# Allegro board RK_EXCAVATOR_MAIN_V12_20161114_FZBFINAL.brd (continued)
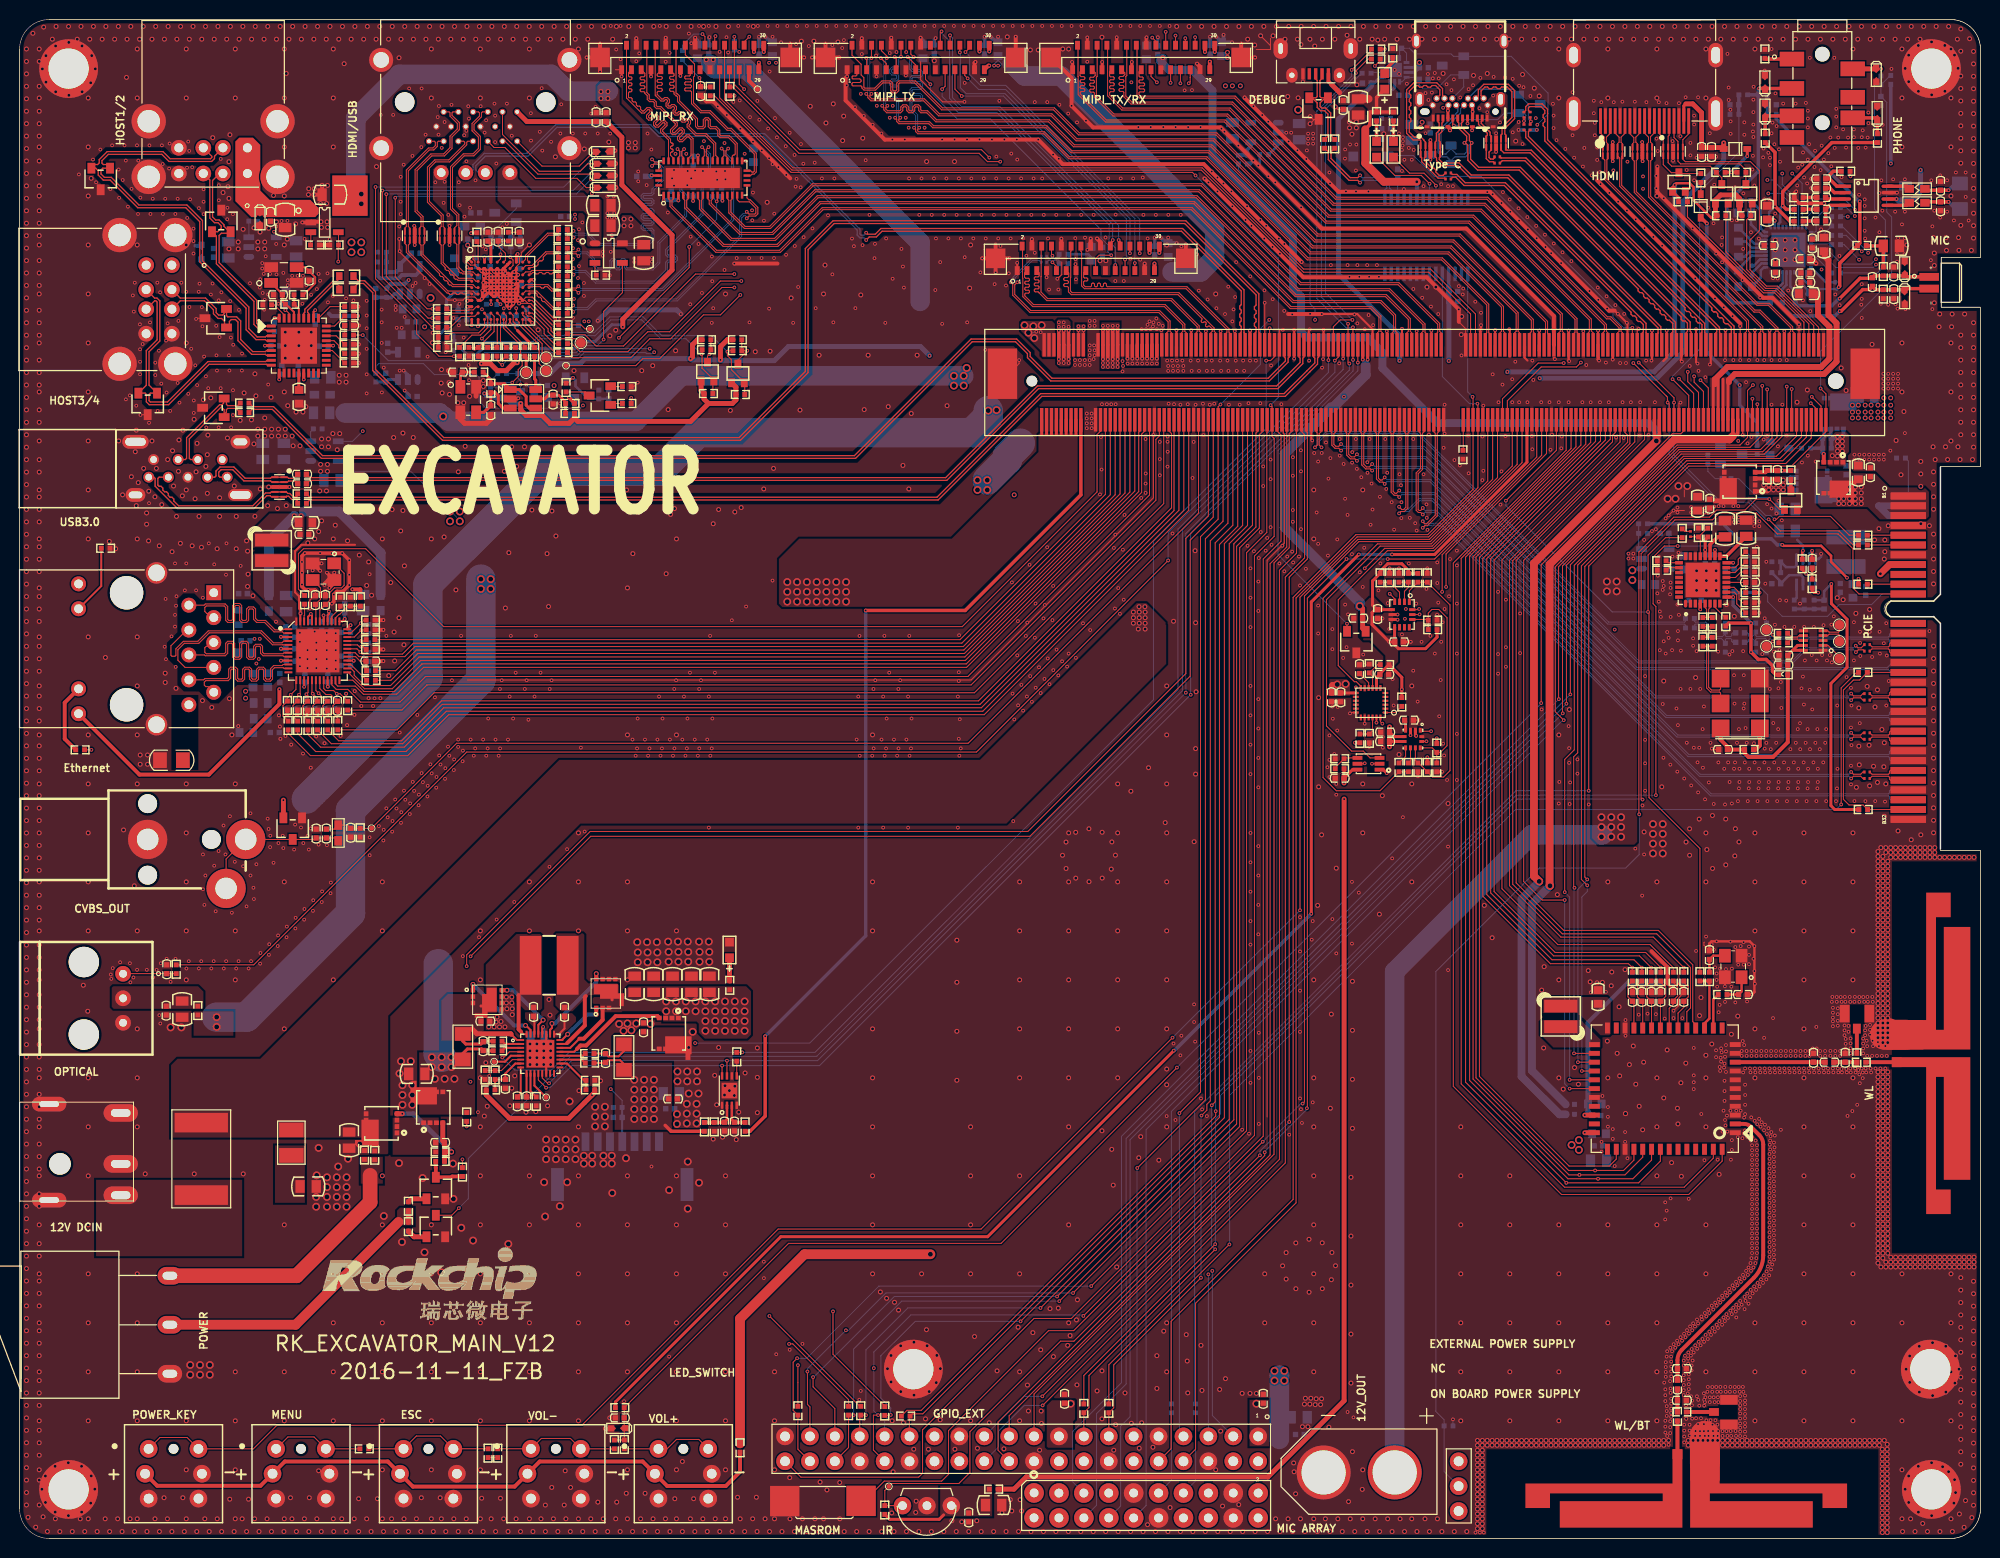
[diagram p0: board, top side]
## Routing (per net, layer and track width the routed paths; a pad name or vN(x,y) marks a point on that pad's centre or on a via; arc(x,y) is an arc through that point) (continued)
  vias: v1(6.05,139.2) v1(7.48,140.71) v1(7.8,138.4) v1(8.24,141.74) v1(9.25,137.7) v1(9.3,57.55) v1(9.35,57.1) v1(9.43,142.17) v1(9.5,58.2) v1(10.1,139.7) v1(10.15,136.8) v1(10.25,58.8) v1(10.52,138.63) v1(10.7,142.17) v1(10.83,140.61) v1(10.84,116.24) v1(11.05,135.91) v1(11.25,116.65) v1(11.25,58.7) v1(11.3,56.75) v1(11.42,137.73) v1(11.55,126.85) v1(11.65,125.2) v1(11.61,57.25) v1(11.75,128.15) v1(11.9,115.6) v1(11.97,142.17) v1(11.98,58.02) v1(12.1,140.61) v1(12.08,135.16) v1(12.32,136.83) v1(12.27,123.9) v1(12.28,121.35) v1(12.28,120.08) v1(12.28,118.81) v1(12.33,114.65) v1(12.55,121.89) v1(12.98,58.02) v1(13.24,142.17) v1(13.2,113.85) v1(13.2,105.65) v1(13.35,135.16) v1(13.3,124.1) v1(13.58,136.72) v1(13.61,57.25) v1(13.84,119.99) v1(13.84,118.72) v1(14.05,128.15) v1(13.98,58.02) v1(14.09,115.06) v1(14.21,121.21) v1(14.25,53.4) v1(14.33,127.17) v1(14.35,52.55) v1(14.45,117.85) v1(14.4,58.7) v1(14.51,142.17) v1(14.59,140.26) v1(14.62,135.16) v1(14.8,91) v1(14.85,136.72) v1(14.94,122.24) v1(14.89,95.88) v1(14.93,89.73) v1(14.99,116.94) v1(15,59.15) v1(15.1,124) v1(15.25,139.8) v1(15.3,142.35) v1(15.36,115.06) v1(15.4,56.8) v1(15.49,92.06) v1(15.89,135.16) v1(15.85,99.5) v1(15.85,94.25) v1(15.85,93.05) v1(15.92,88.94) v1(15.9,59.15) v1(16,96.15) v1(15.95,95.18) v1(16.12,136.72) v1(16.12,117.92) v1(16.2,124.25) v1(16.31,115.91) v1(16.5,128.15) v1(16.85,96.75) v1(17,127.22) v1(17,99.5) v1(17.01,58.16) v1(17.08,139.88) v1(17.09,134.76) v1(17.2,142.55) v1(17.21,116.8) v1(17.3,141.6) v1(17.32,125.67) v1(17.26,58.91) v1(17.39,136.66) v1(17.5,121.4) v1(17.6,139.93) v1(17.74,133.66) v1(17.74,132.39) v1(17.74,131.12) v1(17.77,116.13) v1(17.77,114.86) v1(17.92,119.71) v1(18,124.45) v1(18,96.75) v1(18.1,117.7) v1(18.29,135.76) v1(18.27,127.22) v1(18.28,58.16) v1(18.35,128.05) v1(18.53,58.91) v1(18.59,125.66) v1(18.65,123.7) v1(18.69,96) v1(18.7,69.8) v1(18.7,66.25) v1(18.76,137.68) v1(18.76,136.41) v1(18.76,135.14) v1(18.82,120.61) v1(18.85,64.65) v1(19,118.6) v1(19.04,113.38) v1(18.95,67.65) v1(19.24,117.38) v1(19.3,101.55) v1(19.51,126.94) v1(19.55,58.16) v1(19.68,128.07) v1(19.8,58.91) v1(19.85,99.4) v1(19.85,68.65) v1(20,64) v1(20.05,123.75) v1(20.08,120.74) v1(20.13,119.18) v1(20.32,138.1) v1(20.32,136.56) v1(20.3,126.35) v1(20.31,113.38) v1(20.3,70.15) v1(20.4,122.6) v1(20.52,140.78) v1(20.51,117.38) v1(20.58,127.17) v1(20.8,72.75) v1(20.82,58.16) v1(21,69.8) v1(21.1,101.55) v1(21.05,98.35) v1(21.07,58.91) v1(21.2,135.8) v1(21.18,134.63) v1(21.35,120.74) v1(21.4,119.18) v1(21.48,126.27) v1(21.45,73.7) v1(21.55,122.55) v1(21.58,113.38) v1(21.65,63.85) v1(21.76,135.14) v1(21.79,121.81) v1(21.77,117.18) v1(21.77,114.64) v1(21.95,69.05) v1(22.09,58.16) v1(22.34,58.91) v1(22.38,125.37) v1(22.55,99.25) v1(22.69,120.92) v1(22.67,119.18) v1(22.8,68.6) v1(23.15,64.5) v1(23.36,58.16) v1(23.5,128.1) v1(23.55,74) v1(23.55,67.65) v1(23.61,58.91) v1(23.85,66.4) v1(23.9,65.25) v1(23.96,91.8) v1(24.15,89.29) v1(24.15,68.8) v1(24.4,89.75) v1(24.55,128.5) v1(24.5,127.65) v1(24.5,91.8) v1(24.53,58.66) v1(24.56,59.74) v1(24.75,130.15) v1(24.75,129.6) v1(24.8,127.1) v1(24.9,129.05) v1(24.95,125.4) v1(25,126.4) v1(25.1,130.85) v1(25.35,126.95) v1(25.3,73.45) v1(25.36,117.75) v1(25.4,72.4) v1(25.43,59.55) v1(25.55,129.05) v1(25.55,70.55) v1(25.46,60.64) v1(25.57,71.71) v1(25.9,68.95) v1(26.18,133.89) v1(26.17,132.1) v1(26.2,129) v1(26.33,60.45) v1(26.4,126) v1(26.4,70.96) v1(26.36,61.54) v1(26.72,134.45) v1(26.84,71.71) v1(26.9,129.15) v1(26.9,70.45) v1(27.11,81.89) v1(27.23,61.35) v1(27.32,134.46) v1(27.35,128.4) v1(27.35,127.9) v1(27.26,62.44) v1(27.8,128.85) v1(28,70.3) v1(28.1,72.85) v1(28.13,62.25) v1(28.16,63.33) v1(28.35,128.85) v1(28.7,72.55) v1(28.9,128.85) v1(28.85,126) v1(28.91,80.09) v1(28.94,70.96) v1(29.02,63.15) v1(29.07,132.62) v1(29.05,64.23) v1(29.38,71.71) v1(29.5,70.3) v1(29.73,126.91) v1(29.7,72.45) v1(29.92,64.04) v1(29.95,65.13) v1(30.32,127.5) v1(30.5,129.05) v1(30.5,70.8) v1(30.65,128.35) v1(30.82,64.94) v1(30.85,66.03) v1(31.4,129.1) v1(31.35,70.75) v1(31.45,126.15) v1(31.75,66.93) v1(31.72,65.84) v1(31.95,126.8) v1(33.3,126.55) v1(34.05,126.35) v1(35.4,126.3) v1(35.4,124.8) v1(35.4,123.5) v1(35.4,121.4) v1(35.4,118.8) v1(35.4,116.85) v1(35.7,98.4) v1(35.7,71.55) v1(35.71,69.72) v1(36.2,85.74) v1(36.65,72.69) v1(36.83,145.27) v1(36.93,125.4) v1(36.93,124.1) v1(36.93,122) v1(36.95,116.95) v1(37.14,119.48) v1(37.14,72.31) v1(37.11,71.23) v1(37.41,92.11) v1(37.41,74.51) v1(37.54,73.59) v1(38.03,73.21) v1(38,72.13) v1(38.1,145.27) v1(38.31,75.41) v1(38.36,125.78) v1(38.36,125.37) v1(38.44,74.49) v1(38.46,123.55) v1(38.72,133.89) v1(38.77,119.18) v1(38.77,82.24) v1(38.87,138.96) v1(38.87,136.42) v1(38.87,135.15) v1(38.93,74.11) v1(38.9,73.02) v1(38.97,123.55) v1(39.18,140.19) v1(39.21,76.31) v1(39.28,124.66) v1(39.34,75.39) v1(39.73,147.97) v1(39.83,75.01) v1(39.8,73.92) v1(40.07,141.09) v1(40.09,127.81) v1(40.1,77.2) v1(40.24,76.28) v1(40.39,128.12) v1(40.57,84.04) v1(40.73,75.91) v1(40.7,74.82) v1(41,147.97) v1(40.97,141.99) v1(41,78.1) v1(41.14,77.18) v1(41.41,143.26) v1(41.61,120.6) v1(41.63,76.8) v1(41.6,75.72) v1(41.82,128.02) v1(41.9,79) v1(42.03,78.08) v1(42.12,123.04) v1(42.4,138.4) v1(42.36,85.83) v1(42.52,77.7) v1(42.49,76.62) v1(42.65,145.05) v1(42.73,143.26) v1(42.77,146.18) v1(42.8,79.9) v1(42.93,78.98) v1(43.06,141.91) v1(43.25,136.3) v1(43.35,144.55) v1(43.35,138.45) v1(43.42,78.6) v1(43.39,77.51) v1(43.45,121.95) v1(43.45,121.05) v1(43.73,135.07) v1(43.7,80.8) v1(43.83,79.88) v1(43.85,133.95) v1(44.05,146.3) v1(44.1,87.58) v1(44.25,124.55) v1(44.32,79.5) v1(44.29,78.41) v1(44.74,81.52) v1(44.73,80.77) v1(44.8,138.4) v1(44.8,123.8) v1(44.88,136.06) v1(45.03,92.11) v1(45.22,80.4) v1(45.19,79.31) v1(45.21,59.43) v1(45.3,122.55) v1(45.35,143.2) v1(45.38,134.89) v1(45.57,143.65) v1(45.58,140.54) v1(45.76,146.16) v1(45.83,144.89) v1(45.8,119.75) v1(45.85,118.2) v1(45.95,135.8) v1(46.01,81.52) v1(45.99,46.6) v1(46.33,79.88) v1(46.5,138.6) v1(46.47,80.62) v1(46.75,43.5) v1(46.86,61.36) v1(47.03,146.16) v1(47.2,131.85) v1(47.16,125.44) v1(47.28,81.52) v1(47.44,143.47) v1(47.55,131.55) v1(47.58,144.73) v1(47.6,79.88) v1(47.74,80.62) v1(47.8,83.67) v1(47.85,46.4) v1(47.9,47.2) v1(48.43,146.42) v1(48.5,145.2) v1(48.5,142.5) v1(48.55,81.52) v1(48.62,140.31) v1(48.66,63.15) v1(48.87,79.88) v1(48.99,86.69) v1(49.01,80.62) v1(49.25,133.8) v1(49.18,87.58) v1(49.39,125.53) v1(49.7,146.42) v1(49.7,134.15) v1(49.82,81.52) v1(49.98,85.91) v1(50.11,92.11) v1(50.2,143.15) v1(50.34,83.67) v1(50.45,64.95) v1(50.6,88.35) v1(51.53,86.69) v1(51.72,87.58) v1(51.9,83.55) v1(52.15,145.45) v1(52.16,142.65) v1(52.52,85.91) v1(52.65,92.11) v1(53.06,143.55) v1(53.14,88.35) v1(53.25,148) v1(53.31,141.63) v1(54.04,68.54) v1(54.07,86.69) v1(54.21,142.53) v1(54.26,87.58) v1(55.16,143.37) v1(55.25,146.35) v1(55.84,70.34) v1(56.43,143.37) v1(56.45,131.67) v1(56.45,130.56) v1(56.45,124.56) v1(56.55,126.49) v1(56.95,132.49) v1(56.95,128.63) v1(57.06,133.6) v1(57.06,129.84) v1(57.25,80.7) v1(57.4,134.3) v1(57.56,128.12) v1(57.56,126.8) v1(57.64,72.14) v1(57.7,143.37) v1(58.3,145.4) v1(58.75,146.1) v1(58.97,143.37) v1(59.4,145.5) v1(59.5,131.3) v1(59.5,130.9) v1(59.95,136.95) v1(59.95,135.25) v1(59.95,134.8) v1(60.24,143.37) v1(60.2,128.9) v1(60.3,154.35) v1(60.3,131.3) v1(60.4,134.8) v1(60.4,133) v1(60.6,136.95) v1(60.65,135.25) v1(60.85,151.95) v1(60.9,134.8) v1(61.3,154.35) v1(61.3,150.95) v1(61.65,14) v1(62.52,81.52) v1(62.7,130.65) v1(62.7,130.25) v1(62.84,79.88) v1(62.9,150.75) v1(63.04,83.67) v1(62.98,80.62) v1(63.1,139.5) v1(63.1,138.5) v1(63.2,151.55) v1(63.79,81.52) v1(64.05,143.37) v1(63.96,138.11) v1(64.11,79.88) v1(64.25,80.62) v1(64.44,141.74) v1(64.45,37.95) v1(64.5,130.7) v1(64.5,130.3) v1(65.06,81.52) v1(65.22,85.91) v1(65.3,154.35) v1(65.38,79.88) v1(65.52,80.62) v1(65.58,83.67) v1(65.9,150.7) v1(66.12,135.31) v1(66.3,151.6) v1(66.33,81.52) v1(66.25,18.55) v1(66.55,138.8) v1(66.65,79.88) v1(66.75,139.65) v1(66.75,138.05) v1(66.77,86.69) v1(66.79,80.62) v1(66.9,141.3) v1(66.96,87.58) v1(67.6,81.52) v1(67.76,85.91) v1(67.92,79.88) v1(68,141.3) v1(68.1,138.1) v1(68.12,83.67) v1(68.06,80.62) v1(68.15,139.55) v1(68.26,153.58) v1(68.4,125.95) v1(68.38,88.35) v1(68.51,152.59) v1(68.5,138.8) v1(68.45,132.85) v1(68.9,139.6) v1(68.87,81.52) v1(69.19,79.88) v1(69.3,154.35) v1(69.25,132.1) v1(69.31,86.69) v1(69.33,80.62) v1(69.5,87.58) v1(69.6,127.1) v1(69.7,139.55) v1(69.8,142.6) v1(70.14,81.52) v1(70.3,154.35) v1(70.3,85.91) v1(70.3,72.54) v1(70.43,92.11) v1(70.46,79.88) v1(70.61,130.82) v1(70.6,124.05) v1(70.6,80.62) v1(70.65,128.3) v1(70.66,83.67) v1(70.75,125.55) v1(70.92,88.35) v1(71.06,139.5) v1(71.22,146.14) v1(71.15,138.65) v1(71.4,151.7) v1(71.9,142.4) v1(71.9,129.45) v1(71.95,139.55) v1(72,138.7) v1(72.1,153.2) v1(72.14,145.26) v1(72.27,151.64) v1(72.65,93.7) v1(72.8,146.6) v1(73.14,130.66) v1(73.3,154.35) v1(73.45,146.75) v1(73.52,143.87) v1(73.95,141.31) v1(74.1,95.1) v1(74.3,154.35) v1(74.41,130.66) v1(74.45,124.1) v1(74.5,145.05) v1(74.71,135.53) v1(74.73,134.52) v1(74.81,142.54) v1(74.8,137.35) v1(75.25,146.7) v1(75.3,154.35) v1(75.45,144.78) v1(75.71,141.65) v1(75.68,130.66) v1(75.92,134.48) v1(75.91,28.24) v1(75.92,26.56) v1(76.3,154.35) v1(76.35,143.88) v1(76.45,140.85) v1(76.45,125.5) v1(76.5,149.7) v1(76.8,153.25) v1(76.8,140.25) v1(76.8,97.75) v1(77.05,144.95) v1(76.97,135.19) v1(76.95,130.66) v1(77.25,142.98) v1(77.17,18.8) v1(77.3,154.35) v1(77.4,139.95) v1(77.67,152.68) v1(78.15,142.09) v1(78.2,139.15) v1(78.18,131) v1(78.3,154.35) v1(78.55,143.45) v1(78.55,19.25) v1(78.9,124.05) v1(79.05,141.19) v1(79.07,131.89) v1(79.2,152.5) v1(79.15,137.95) v1(79.3,154.35) v1(79.25,138.75) v1(79.41,127.71) v1(79.7,142.3) v1(79.67,137.88) v1(79.94,140.29) v1(79.85,19.85) v1(79.97,132.79) v1(80.3,154.35) v1(80.5,152.3) v1(80.87,133.69) v1(81.1,140.4) v1(81.2,125.55) v1(81.3,154.35) v1(81.84,138.79) v1(82.3,154.35) v1(82.46,135.03) v1(82.9,152.4) v1(82.9,129) v1(83,124.1) v1(83.11,138.79) v1(83.3,154.35) v1(83.9,152.1) v1(84.08,152.91) v1(84.3,154.35) v1(84.37,148.29) v1(84.9,132.65) v1(85.1,131.88) v1(85.21,146.07) v1(85.25,125.55) v1(85.3,154.35) v1(85.38,81.52) v1(85.54,85.91) v1(85.54,72.54) v1(85.65,14.15) v1(85.67,92.11) v1(85.7,79.88) v1(85.81,147.42) v1(85.8,15.05) v1(85.91,151.49) v1(85.98,131.99) v1(86.11,145.17) v1(86.3,154.35) v1(86.3,140.65) v1(86.69,135.07) v1(87.01,144.27) v1(86.97,79.88) v1(87.09,86.69) v1(87.11,80.62) v1(87.25,132.11) v1(87.2,130.65) v1(87.3,154.35) v1(87.28,87.58) v1(87.36,151.33) v1(87.43,147.42) v1(87.43,146.2) v1(87.91,143.38) v1(87.92,81.52) v1(88.08,85.91) v1(88.08,72.54) v1(88.21,92.11) v1(88.24,79.88) v1(88.3,154.35) v1(88.3,124.05) v1(88.39,132.67) v1(88.44,83.67) v1(88.38,80.62) v1(88.7,88.35) v1(88.76,151.59) v1(88.76,144.98) v1(89.02,142.76) v1(89.05,128.55) v1(89.06,146.2) v1(89.19,81.52) v1(89.3,154.35) v1(89.44,151.69) v1(89.51,79.88) v1(89.63,86.69) v1(89.65,80.62) v1(89.82,87.58) v1(89.95,131.6) v1(90.1,129.8) v1(90.2,127.65) v1(90.3,154.35) v1(90.29,142.76) v1(90.43,151.69) v1(90.38,144.98) v1(90.46,81.52) v1(90.62,85.91) v1(90.62,72.54) v1(90.69,143.97) v1(90.73,138.79) v1(90.75,92.11) v1(90.78,79.88) v1(90.92,80.62) v1(90.98,83.67) v1(91.3,154.35) v1(91.77,135.07) v1(92,138.79) v1(92.3,154.35) v1(92.31,143.97) v1(93.04,135.07) v1(93.3,154.35) v1(93.27,138.79) v1(93.4,127.4) v1(93.47,132.67) v1(93.9,130.25) v1(94.1,142.76) v1(94.1,123.95) v1(94.3,154.35) v1(94.31,135.07) v1(94.54,138.79) v1(94.74,132.67) v1(95.3,154.35) v1(95.37,142.76) v1(95.58,135.07) v1(95.7,85.91) v1(95.7,72.54) v1(95.81,138.79) v1(95.83,92.18) v1(95.8,88.4) v1(95.8,87.5) v1(95.8,81.6) v1(95.9,83.6) v1(95.86,79.88) v1(96.01,132.67) v1(96,80.62) v1(96.3,154.35) v1(96.4,148.54) v1(96.4,130.75) v1(96.64,142.76) v1(96.65,124.1) v1(96.85,135.07) v1(97.08,138.79) v1(97.3,154.35) v1(97.28,132.67) v1(97.91,142.76) v1(98,129.2) v1(98.12,135.07) v1(98.3,154.35) v1(98.35,138.79) v1(98.55,132.67) v1(98.5,121.3) v1(99.18,142.76) v1(99.3,154.35) v1(99.39,135.07) v1(99.45,128) v1(99.63,141.02) v1(99.62,138.79) v1(99.82,132.67) v1(99.93,146.71) v1(100.05,131.9) v1(100.3,154.35) v1(100.45,142.76) v1(100.61,127.86) v1(100.66,135.07) v1(100.89,138.79) v1(100.9,129.1) v1(101.09,132.67) v1(101.15,141.33) v1(101.22,97.56) v1(101.3,154.35) v1(101.28,86.21) v1(101.35,73.2) v1(101.46,83.58) v1(101.72,142.76) v1(101.76,140.72) v1(101.83,93.61) v1(101.76,90.12) v1(101.84,85.02) v1(101.93,135.07) v1(102.16,138.79) v1(102.18,87.11) v1(102.3,154.35) v1(102.36,132.67) v1(102.35,84.48) v1(102.64,92.1) v1(102.69,130.9) v1(102.74,85.92) v1(102.78,93.46) v1(103.01,99.36) v1(103.08,88) v1(103.2,135.07) v1(103.3,154.35) v1(103.25,85.37) v1(103.43,138.79) v1(103.55,146.58) v1(103.55,131.2) v1(103.62,95.41) v1(103.56,91.92) v1(103.64,86.82) v1(103.98,88.9) v1(104.15,86.27) v1(104.3,154.35) v1(104.3,138.79) v1(104.44,93.9) v1(104.47,135.07) v1(104.54,87.71) v1(104.57,95.26) v1(104.82,146.58) v1(104.81,101.16) v1(104.9,132.67) v1(104.87,89.8) v1(105,127.45) v1(105.05,87.17) v1(105.3,154.35) v1(105.42,141.22) v1(105.42,97.2) v1(105.35,93.71) v1(105.43,88.61) v1(105.74,135.07) v1(105.77,90.7) v1(105.95,88.07) v1(106,140.8) v1(105.95,127.45) v1(106.06,146.31) v1(106.3,154.35) v1(106.33,89.51) v1(106.84,88.97) v1(106.96,145.41) v1(107.01,135.07) v1(107,90.3) v1(107.3,154.35) v1(107.68,132.7) v1(107.7,130.55) v1(107.75,128.49) v1(107.65,120.25) v1(107.65,119.75) v1(107.74,89.86) v1(107.86,144.51) v1(108.15,120.25) v1(108.15,119.75) v1(108.3,154.35) v1(108.28,135.07) v1(108.47,93.39) v1(108.67,132.75) v1(108.65,120.25) v1(108.65,119.75) v1(108.77,144.68) v1(108.9,150.7) v1(108.92,131.5) v1(108.85,114.8) v1(108.85,114.3) v1(108.85,113.8) v1(108.85,113.3) v1(109.15,124.25) v1(109.15,123.75) v1(109.15,121.75) v1(109.15,121.25) v1(109.15,120.75) v1(109.15,120.25) v1(109.15,119.75) v1(109.2,92.7) v1(109.3,154.35) v1(109.35,114.8) v1(109.35,114.3) v1(109.35,113.8) v1(109.35,113.3) v1(109.55,135.07) v1(109.6,121.75) v1(109.55,120.35) v1(109.65,124.25) v1(109.65,123.75) v1(109.65,121.25) v1(109.65,120.75) v1(110.2,106.54) v1(110.3,154.35) v1(110.3,112.4) v1(110.4,115.75) v1(110.36,109.08) v1(110.76,132.76) v1(110.9,115.75) v1(111.05,138.79) v1(111.3,154.35) v1(111.35,115.75) v1(111.62,101.08) v1(111.72,94.9) v1(111.8,135.1) v1(111.76,128.32) v1(111.8,115.75) v1(111.76,102.44) v1(112.06,96.98) v1(112.23,94.35) v1(112.3,154.35) v1(112.32,138.79) v1(112.5,120.15) v1(112.55,119.65) v1(112.5,119.1) v1(112.54,100.9) v1(112.63,128.32) v1(112.62,95.8) v1(112.7,104.45) v1(113.3,154.35) v1(113.3,130.6) v1(113.4,148.6) v1(113.59,138.79) v1(114.11,144.03) v1(114.3,154.35) v1(114.3,130.5) v1(114.45,123.4) v1(114.4,106.18) v1(114.56,138.89) v1(114.63,135.07) v1(114.85,112.2) v1(114.85,107.65) v1(114.85,106.7) v1(114.9,123.4) v1(114.86,108.68) v1(115.05,123.85) v1(115.06,132.67) v1(115.25,124.2) v1(115.3,154.35) v1(115.35,123.4) v1(115.38,144.03) v1(115.65,124.1) v1(115.6,123.7) v1(115.9,135.07) v1(115.95,124.5) v1(116,123.4) v1(116.2,123.95) v1(116.3,154.35) v1(116.3,111.9) v1(116.3,110.15) v1(116.3,108.5) v1(116.45,123.3) v1(116.65,144.03) v1(116.6,123.75) v1(117,43.1) v1(117.05,120.2) v1(117.1,112.45) v1(117.09,111.92) v1(117.1,110.9) v1(117.09,109.38) v1(117.17,135.07) v1(117.15,119.65) v1(117.15,119.15) v1(117.2,115.8) v1(117.3,154.35) v1(117.55,120.2) v1(117.6,102.55) v1(117.65,119.65) v1(117.65,119.15) v1(117.7,50.5) v1(117.75,115.75) v1(117.92,144.03) v1(117.9,42.7) v1(118.05,120.2) v1(118.15,119.65) v1(118.15,119.15) v1(118.44,135.07) v1(118.4,115.7) v1(118.4,49.3) v1(118.5,131.85) v1(118.5,51.3) v1(118.6,120.2) v1(118.7,119.65) v1(118.7,119.15) v1(118.83,147.78) v1(119.19,144.03) v1(119.15,115.75) v1(119.45,120.2) v1(119.58,147.81) v1(119.55,119.15) v1(119.64,108.22) v1(119.75,111.9) v1(119.8,54.5) v1(119.8,52.7) v1(119.9,50.7) v1(119.95,115.7) v1(120.1,131.05) v1(120.2,120.2) v1(120.28,127.34) v1(120.3,119.15) v1(120.46,144.03) v1(120.5,44.9) v1(120.62,43.78) v1(120.7,115.8) v1(120.75,112.6) v1(121,120.2) v1(121.1,119.15) v1(121.1,43.1) v1(121.18,126.44) v1(121.27,138.38) v1(121.4,115.7) v1(121.6,139.5) v1(121.6,120.2) v1(121.7,119.15) v1(121.85,115.8) v1(122.07,125.54) v1(122.18,138.89) v1(122.18,137.46) v1(122.45,120.2) v1(122.59,143.87) v1(122.55,119.15) v1(122.79,138.28) v1(122.89,143.56) v1(122.95,124.95) v1(123.2,120.2) v1(123.28,127.74) v1(123.3,119.15) v1(123.35,115.7) v1(123.6,137.46) v1(123.7,135.95) v1(123.7,124.2) v1(123.82,125.42) v1(123.98,126.68) v1(124.05,120.2) v1(124.09,130.25) v1(124.15,119.15) v1(124.45,115.7) v1(124.7,41.7) v1(124.8,120.2) v1(124.9,119.15) v1(125.05,134.55) v1(125.2,135.95) v1(125.25,101.3) v1(125.35,115.85) v1(125.4,41.3) v1(125.52,128.8) v1(125.5,120.2) v1(125.55,99) v1(125.55,96) v1(125.55,93) v1(125.55,87) v1(125.55,84) v1(125.55,81) v1(125.55,78) v1(125.55,72) v1(125.55,69) v1(125.55,66) v1(125.55,63) v1(125.55,60.6) v1(125.55,49.75) v1(125.55,46.5) v1(125.65,133.95) v1(125.85,146.16) v1(125.9,100.75) v1(126.1,120.2) v1(126.35,97.65) v1(126.35,94.65) v1(126.35,85.65) v1(126.35,82.65) v1(126.35,79.65) v1(126.35,76.65) v1(126.35,70.65) v1(126.35,67.65) v1(126.35,64.65) v1(126.35,61.65) v1(126.4,100.05) v1(126.4,51.6) v1(126.4,47) v1(126.4,42.3) v1(126.55,134.55) v1(126.55,115.85) v1(126.6,102.7) v1(126.75,145.26) v1(126.85,109.4) v1(126.85,107.4) v1(126.95,132.65) v1(126.97,127.37) v1(127.15,133.95) v1(127.1,100.8) v1(127.25,102.1) v1(127.36,144.58) v1(127.37,139.01) v1(127.65,119.7) v1(127.6,110.1) v1(127.6,108.1) v1(127.6,103.2) v1(127.7,101.4) v1(127.8,131.8) v1(127.82,126.47) v1(128.02,146.88) v1(128.07,138.38) v1(128.45,132.65) v1(128.55,131.1) v1(128.5,99.5) v1(128.7,115.75) v1(128.8,101.3) v1(129,132.1) v1(128.99,125.27) v1(129,98.7) v1(129.3,100.2) v1(129.44,142.57) v1(129.5,41.2) v1(129.7,143.46) v1(129.81,124.92) v1(129.8,100.7) v1(129.88,110.34) v1(129.87,108.45) v1(129.87,104.95) v1(129.87,103.75) v1(129.9,99.6) v1(130.34,141.67) v1(130.5,100.2) v1(130.6,97.25) v1(130.6,63.4) v1(130.6,59.9) v1(130.6,55.9) v1(130.6,51.7) v1(130.6,44.9) v1(130.72,135.84) v1(130.69,111.05) v1(130.7,108.9) v1(130.7,103) v1(130.7,43.8) v1(130.8,42.4) v1(130.9,148.7) v1(131.24,140.77) v1(131.2,98.95) v1(131.3,141.65) v1(131.43,143.36) v1(131.43,142.85) v1(131.53,120.19) v1(131.63,124.97) v1(131.8,61.1) v1(131.94,143.36) v1(131.94,142.85) v1(131.85,112.05) v1(131.9,63) v1(131.9,44.5) v1(132.05,110.77) v1(132.3,104.7) v1(132.45,109.9) v1(132.45,101.5) v1(132.45,95.2) v1(132.45,92.35) v1(132.85,119.48) v1(132.82,110.77) v1(132.95,120.35) v1(133.25,111.85) v1(133.4,78.7) v1(133.5,108.15) v1(133.45,100.3) v1(133.6,139.4) v1(133.6,81.95) v1(133.6,79.45) v1(133.6,77.7) v1(133.66,138.28) v1(133.7,110.25) v1(133.75,129.95) v1(133.9,92.8) v1(133.9,90.75) v1(133.9,84.9) v1(133.9,63.2) v1(133.95,83.65) v1(134.1,80.05) v1(134.3,77) v1(134.3,75.9) v1(134.3,59.7) v1(134.4,101.95) v1(134.4,82.45) v1(134.45,84.85) v1(134.6,119.92) v1(134.65,112.2) v1(134.65,110.5) v1(135,89.85) v1(135.05,109.65) v1(135.2,141.75) v1(135.19,140.82) v1(135.2,106.1) v1(135.2,95.3) v1(135.29,137.46) v1(135.35,90.95) v1(135.45,129.95) v1(135.45,104.45) v1(135.5,94.3) v1(135.45,12.9) v1(135.7,142.25) v1(135.65,128.75) v1(135.93,110.86) v1(135.91,109.79) v1(135.9,100.45) v1(135.9,67) v1(135.9,60.7) v1(136.05,12.35) v1(136.16,124.92) v1(136.35,142.25) v1(136.3,139.6) v1(136.31,137.46) v1(136.3,112.2) v1(136.3,86.85) v1(136.45,129.95) v1(136.45,124) v1(136.4,109.15) v1(136.65,128.75) v1(136.6,65.9) v1(136.7,98.6) v1(136.85,108.3) v1(137,97.1) v1(137.05,90.2) v1(137.15,101.1) v1(137.2,123.4) v1(137.2,89.15) v1(137.45,129.95) v1(137.47,109.83) v1(137.48,108.75) v1(137.58,137.46) v1(137.65,128.75) v1(137.6,124.85) v1(137.7,112.2) v1(137.8,103.45) v1(137.9,107.65) v1(138,105) v1(138.06,123.82) v1(138.45,129.95) v1(138.65,128.75) v1(138.6,96.75) v1(138.75,106.3) v1(138.8,99.5) v1(139.05,81.8) v1(139.05,80.7) v1(139.3,112.2) v1(139.4,107.1) v1(139.5,108.75) v1(139.55,95.45) v1(139.7,92.8) v1(139.95,105.75) v1(140.05,87.7) v1(140,69.4) v1(140.15,85) v1(140.2,102.95) v1(140.26,149.87) v1(140.7,149.45) 